# Altium PCB Charge ContollerV2.PcbDoc (part 1 of 2)
Units mil, origin at the board's own origin, x right, y up, seen from the top; angles counter-clockwise.
Board outline 6000 x 4000 mil, 4 copper layers (Top Layer, GND, PWR, Bottom Layer), stack 23.756 mil thick; 105 components, 62 nets, 328 pads, 55 vias.
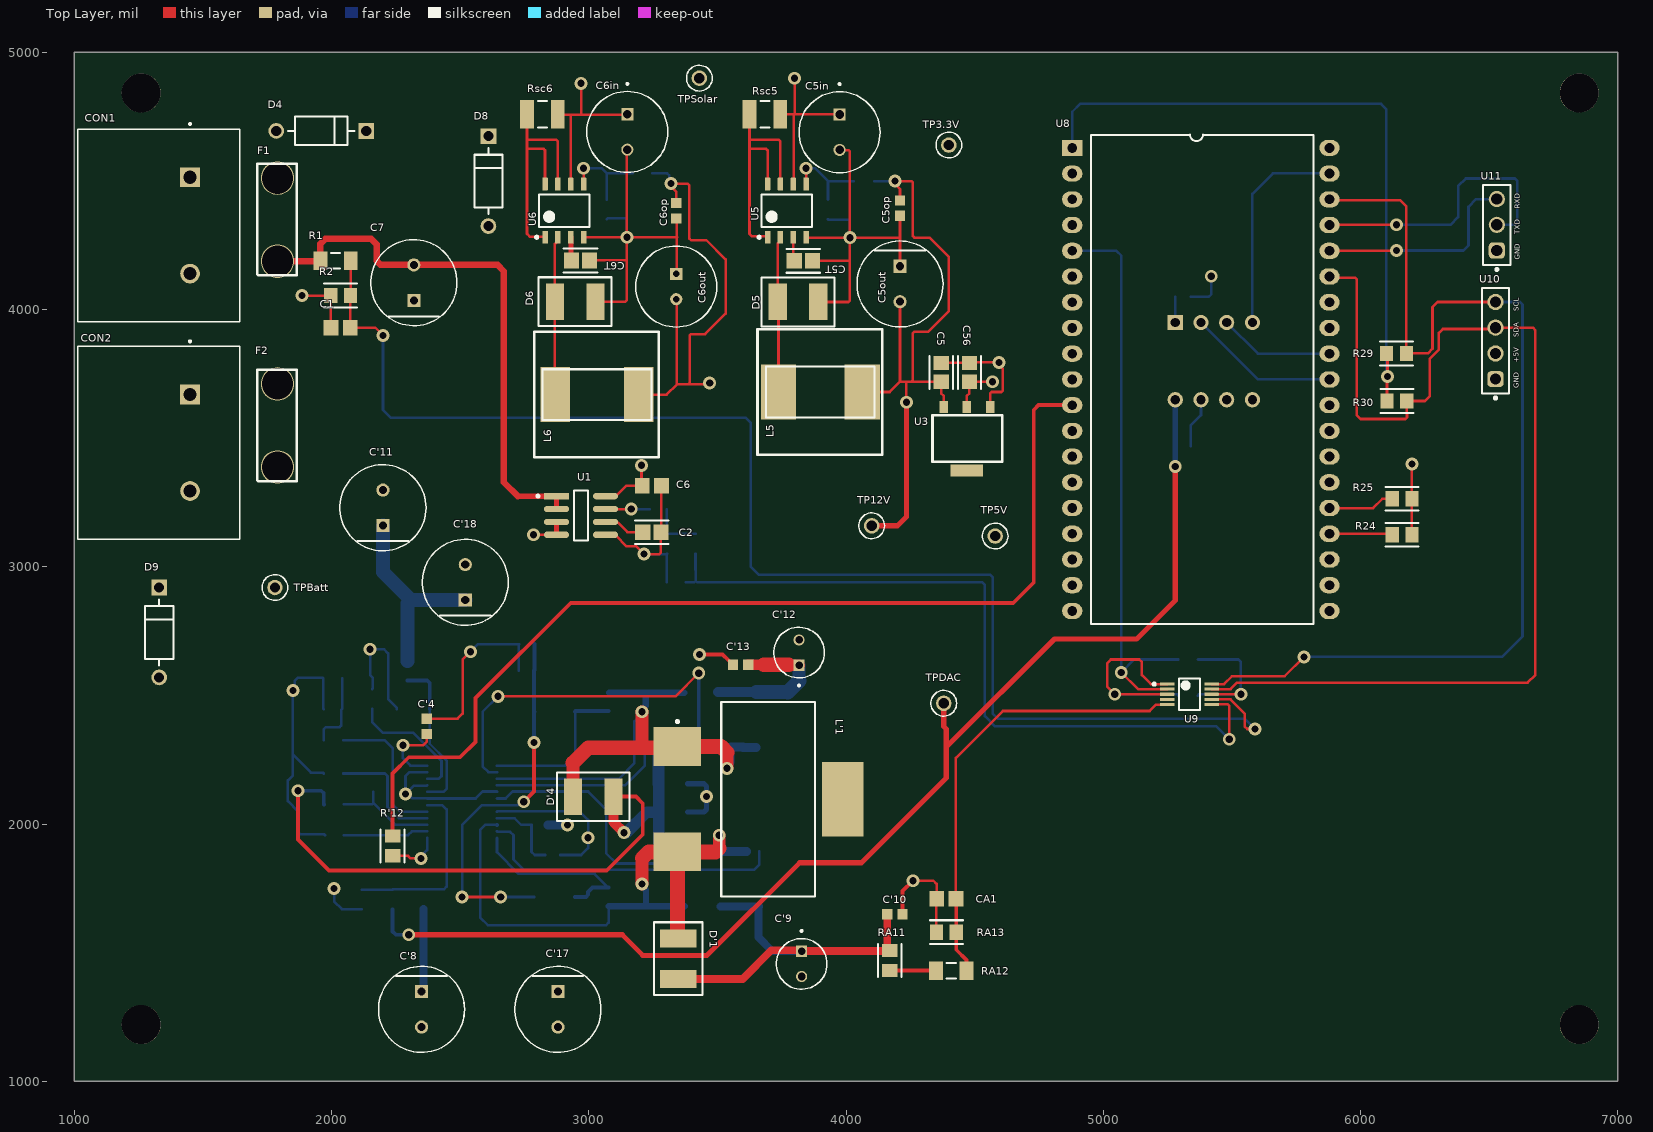
[diagram p0: Top Layer view]
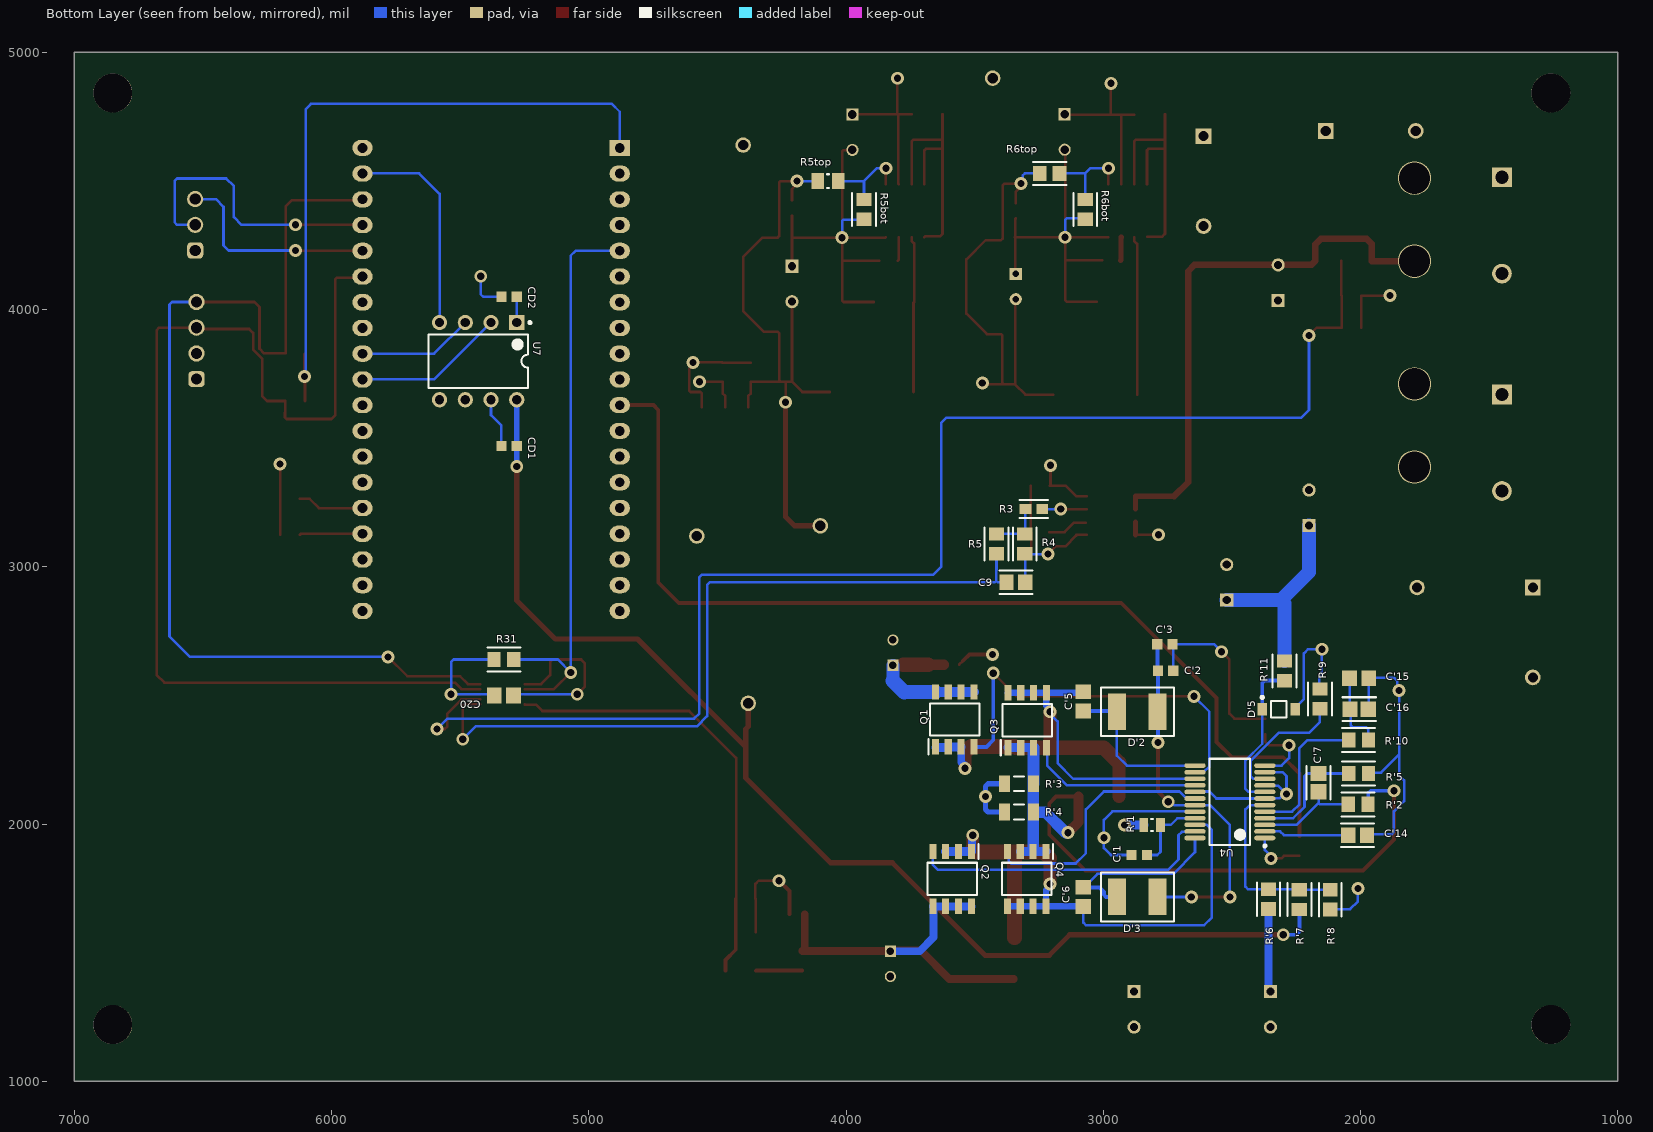
[diagram p1: Bottom Layer view, seen from below]
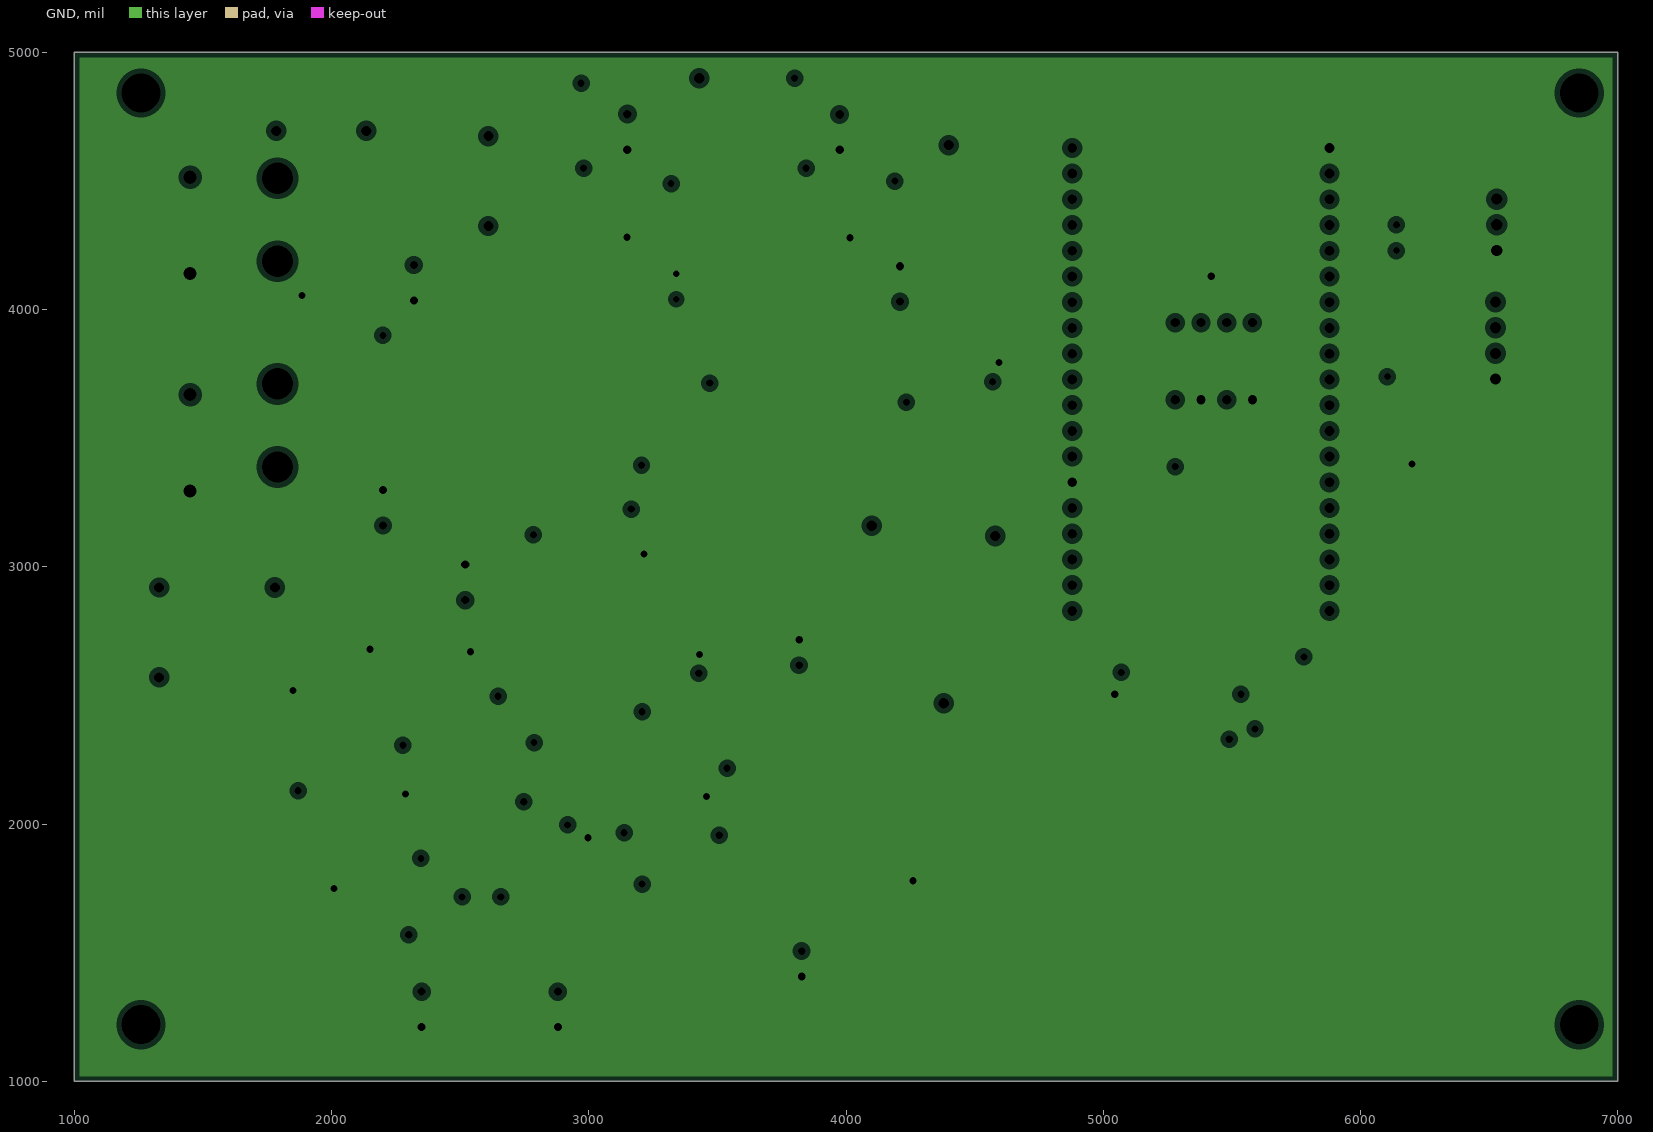
[diagram p2: GND, clearances drawn from the general rule]
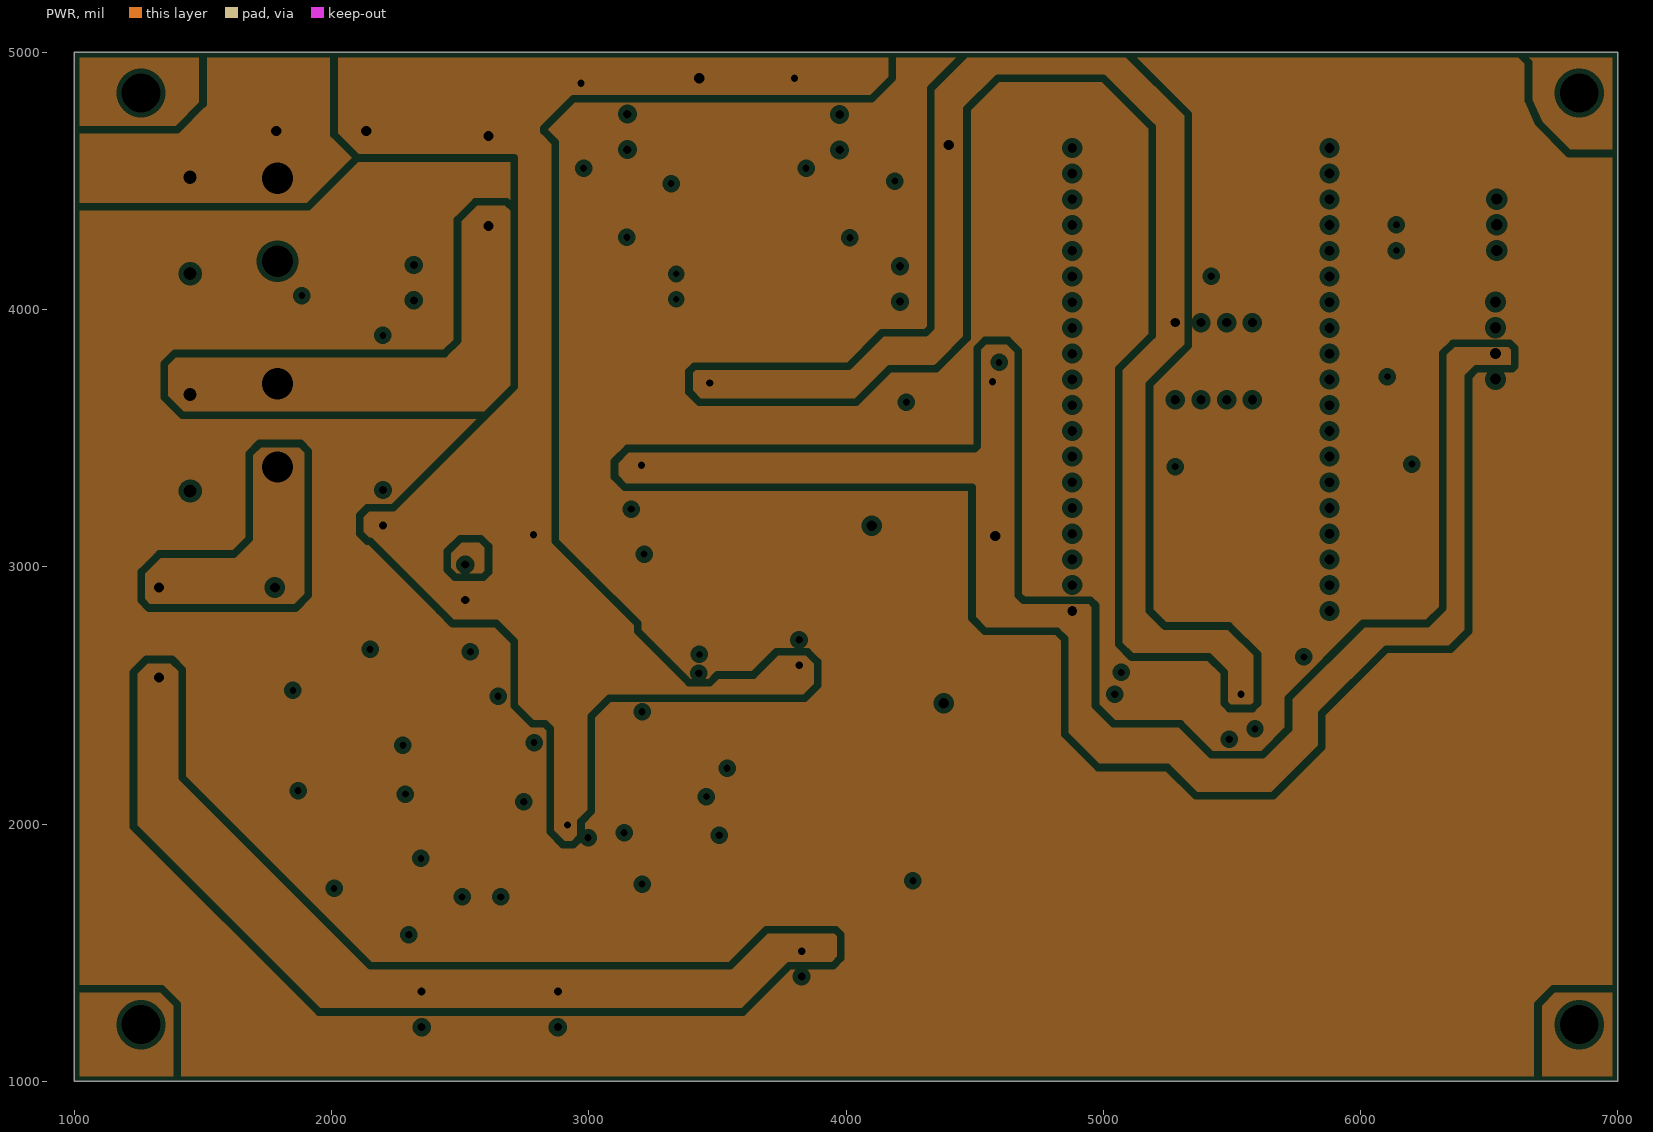
[diagram p3: PWR, clearances drawn from the general rule]
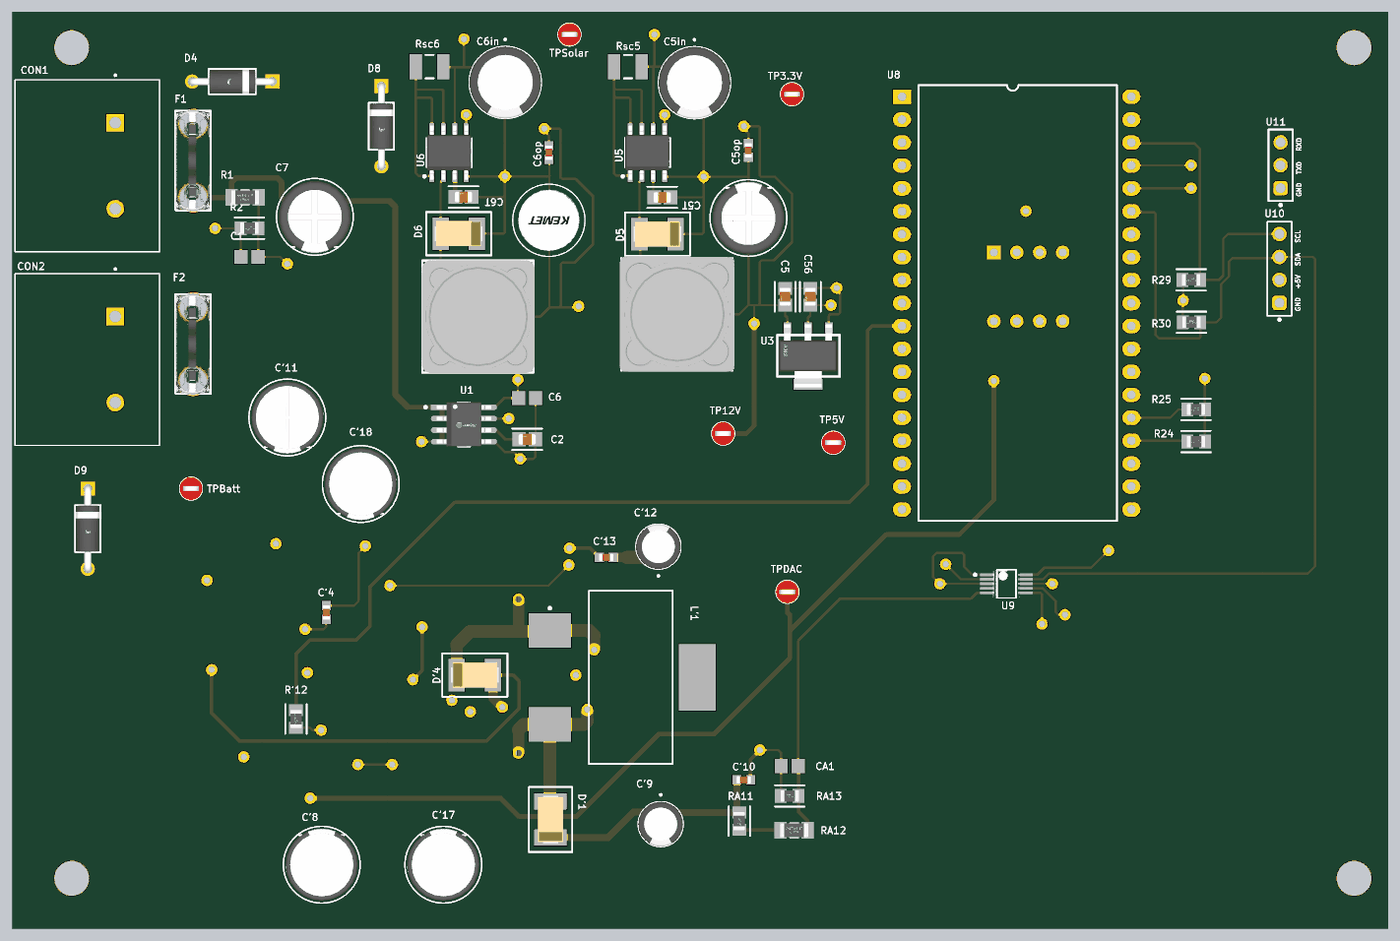
[diagram p5: 3D render of the assembled board from above, using the file's embedded part models]
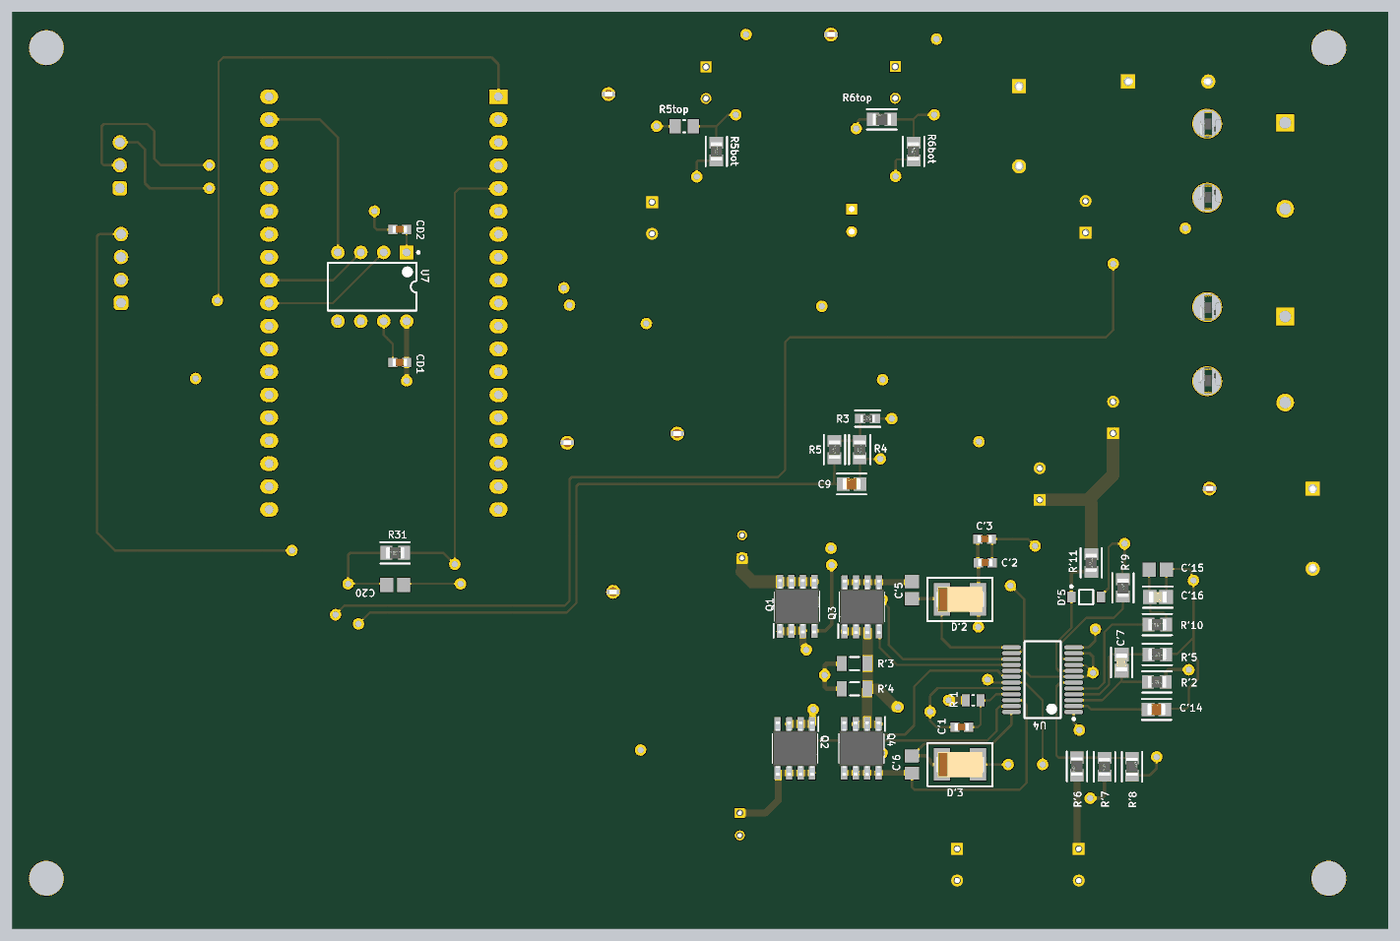
[diagram p6: 3D render of the assembled board from below, using the file's embedded part models]

## Layer stack, top to bottom
Top Solder: solder mask 0.4, Solder Resist, Dk 3.5
Top Layer: signal copper 1.4
Dielectric 2: prepreg 2.8, PP-006, Dk 4.1
GND: plane copper 1.378, net GND
Dielectric 1: dielectric 12.6, FR-4, Dk 4.8
PWR: plane copper 1.378, net (Multiple Nets)
Dielectric 3: prepreg 2.8, PP-006, Dk 4.1
Bottom Layer: signal copper 1.4
Bottom Solder: solder mask 0.4, Solder Resist, Dk 3.5

## Board outline
1000,1000 7000,1000 7000,5000 1000,5000

## Design rules (kind name [scope] priority, off if disabled: settings)
Clearance [All] p1: gap=5 ignorepadtopadclearanceinfootprint=FALSE
HoleSize [All] p1: absolutevalues=TRUE maxlimit=250 minlimit=10 maxpercent=80.000 minpercent=20.000
PlaneClearance [All] p1: clearance=20
PlaneConnect [All] p1: planeconnectstyle=Relief reliefexpansion=20 reliefentries=4 reliefconductorwidth=10 reliefairgap=10
PolygonConnect [All] p1: connectstyle=Relief reliefconductorwidth=10 reliefentries=4 polygonreliefangle="90 Angle" airgapwidth=10
RoutingVias [All] p1: holewidth=28 width=50 viastyle="Through Hole" minholewidth=28 minwidth=50 maxholewidth=28 maxwidth=50
SilkToSilkClearance [All] p1: silktosilkclearance=5
SolderMaskExpansion [All] p1: expansion=4 istentingtop=FALSE
SupplyNets "Schematic Supply Nets" [InNet('GND')] p1: voltage=0.000
Width [All] p1: maxlimit=1000 minlimit=5 preferedwidth=10
26 further rules are at their usual default settings.

## Classes and differential pairs
component class "External DAC": CD1 U7
component class LTC3780EG: C'2 C'5 C'6 C'7 C'8 C'9 C'10 C'11 C'12 C'13 C'14 C'15 C'16 C'17 C'18 D'1 D'2 D'3 D'4 D'5 L'1 Q1 Q2 Q3 Q4 R'1 R'2 R'3 R'4 R'5 R'6 R'8 R'9 R'10 R'11 R'12 U4
component class Designator: C5in C5op C5out C5T C6in C6op C6out C6T D5 D6 L5 L6 R5bot R5top R6bot R6top Rsc5 Rsc6 U5 U6
component class "Charge Controller": C1 C7 CA1 CON1 CON2 D4 D8 D9 F1 F2 R1 R2 RA11 RA12 RA13 U10 U11

## Components (designator, comment, footprint, x,y, rotation, side; value= is the part's Value field where it differs from the comment)
C1 "100nF" CAPC2013X140X45ML15T25 2035,3930 r0 top
C2 "1nF" FP-GCM21B-0_2-e0_3_0_75-IPC_A 3245.46,3135 r180 top
C5 "10uF" FP-GRM21B-0_15-IPC_A 4370,3756.47 r270 top value=10µF
C5in "100uF" CAPPRD350W60D800H1150 3975,4690 r270 top value=100µF
C5op "4.7uF" CAPC1608X100N 4210,4395 r90 top
C5out "220uF" "FP-RAD-TH-D_8_0_5-L_11_5-MFG - duplicate" 4210,4100 r270 top value=220µF
C5T "1nF" FP-GCM21B-0_2-e0_3_0_75-IPC_A 3834.54,4190 r180 top
C6 "100nF" CAPC2013X140X45ML15T25 3245,3315 r180 top
C6in "100uF" CAPPRD350W60D800H1150 3150,4691.1 r270 top value=100µF
C6op "4.7uF" CAPC1608X100N 3340,4385 r90 top
C6out "220uF" EEU-FR1E221 3340,4090 r270 top value=220µF
C6T "1nF" FP-GCM21B-0_2-e0_3_0_75-IPC_A 2967.89,4191.65 r180 top
C7 "220uF" "FP-RAD-TH-D_8_0_5-L_11_5-MFG - duplicate" 2320,4105 r90 top value=220µF
C9 "2.2uF" FP-GRM21B-0_15-IPC_A 3340,2940 r0 bottom value=2.2µF
C20 "100nF" CAPC2013X140X45ML15T25 5330,2500 r0 bottom
C56 "10uF" FP-GRM21B-0_15-IPC_A 4480,3756.47 r270 top value=10µF
C'1 "0.1u" CAPC1608X100N 2860,1880 r180 bottom value=100nF (schematic designator C'10)
C'2 "4.7uF" CAPC1608X100N 2757.5,2596.97 r0 bottom
C'3 "0.1u" CAPC1608X100N 2760,2700 r0 bottom value=100nF (schematic designator C'10)
C'4 "0.1u" CAPC1608X100N 2370,2380 r270 top value=100nF (schematic designator C'10)
C'5 "0.22u" CAPC2013X140X45ML15T25 3077.5,2476.97 r90 bottom value=220nF
C'6 "0.22u" CAPC2013X140X45ML15T25 3077.5,1716.97 r270 bottom value=220nF
C'7 "68p" "(KEMET 0805) FP-C0805C-DN-IPC_A" 2162.96,2161.51 r270 bottom value=68pF
C'8 "330u" FP-RAD-TH-D_8_0_5-L_15_1-MFG 2350,1280 r270 top value=330µF
C'9 "22u" "(22u) CAPPRD250W50D500H1100" 3827.5,1456.97 r270 top value=22µF
C'10 "0.1u" CAPC1608X100N 4190,1650 r180 top value=100nF
C'11 "220u" FP-RAD-TH-D_8_0_5-L_15_1-MFG 2200,3230 r90 top value=220µF
C'12 "22u" "(22u) CAPPRD250W50D500H1100" 3817.5,2666.97 r90 top value=22µF
C'13 "0.1u" CAPC1608X100N 3590,2620 r0 top value=100nF
C'14 "0.022u" FP-GCM21B-0_15-IPC_A 2011.03,1956.97 r0 bottom value=22nF
C'15 "10000p" CAPC2013X140X45ML15T25 2004.9,2566.97 r0 bottom value=10nF
C'16 "47p" "(KEMET 0805) FP-C0805C-DN-IPC_A" 2004.9,2446.97 r0 bottom value=47pF
C'17 "330u" FP-RAD-TH-D_8_0_5-L_15_1-MFG 2880,1280 r270 top value=330µF
C'18 "220u" FP-RAD-TH-D_8_0_5-L_15_1-MFG 2520,2940 r90 top value=220µF
CA1 "100nF" CAPC2013X140X45ML15T25 4390,1710 r0 top
CD1 "0.1u" CAPC1608X100N 5310,3470 r180 bottom value=100nF
CD2 "0.1u" CAPC1608X100N 5310,4050 r180 bottom value=100nF (schematic designator CD1)
CON1 "Panel Connector" PHOENIX_1902547 1012.99,4702.4 r270 top (schematic designator U00)
CON2 "Battery Connector" PHOENIX_1902547 1012.99,3857.4 r270 top (schematic designator U0)
D4 "1N4007" FP-1N4007-MFG 1960,4695 r180 top
D5 "CDBA3100" CDBA3100 3813.74,4030 r180 top
D6 "CDBA3100" CDBA3100 2947.09,4031.65 r180 top
D8 "1N4007" FP-1N4007-MFG 2610,4500 r270 top
D9 "1N4007" FP-1N4007-MFG 1330,2745.2 r270 top
D'1 "CDBA3100" CDBA3100 3347.5,1476.97 r90 top
D'2 "CDBA3100" CDBA3100 2867.5,2436.97 r180 bottom
D'3 "CDBA3100" CDBA3100 2867.5,1716.97 r180 bottom
D'4 "CDBA3100" CDBA3100 3017.5,2106.97 r0 top
D'5 "MMSZ5231BT1" "(MMSZ5231BT1) ONSC-SOD-123-2-425-04_V" 2317.5,2446.97 r180 bottom
F1 "10A Fuse" FP-0297-MFG 1790,4350 r90 top value=7.42mΩ
F2 "15A Fuse" FP-0297-MFG 1790,3550 r90 top value=4.58mΩ
L5 "820uH" SRR1280-821K 3900,3680 r0 top value=820µH
L6 "680uH" SRR1260-681K 3032.4,3670 r0 top value=680µH
L'1 "4.7uH" "(4.7u) COIL-SER2013-3_V" 3697.5,2096.97 r270 top value=4.7µH
Q1 "FDS5670" FDS5670 3577.5,2406.97 r90 bottom value=14MΩ
Q2 "FDS5670" FDS5670 3587.5,1786.97 r270 bottom value=14MΩ
Q3 "FDS5670" FDS5670 3295.82,2404.68 r90 bottom value=14MΩ
Q4 "FDS5670" FDS5670 3297.5,1786.97 r270 bottom value=14MΩ
R1 "56k" FP-CRGCQ1206-IPC_A 2015.9,4190 r180 top value=56kΩ
R2 "10k" FP-CRGCQ0805-IPC_A 2035,4055 r0 top value=10kΩ
R3 "3.3k" FP-CRGCQ0603-IPC_A 3270,3225 r180 bottom value=3.3kΩ
R4 "10k" FP-CRGCQ0805-IPC_A 3305,3090 r90 bottom value=10kΩ
R5 "1k" FP-CRGCQ0805-IPC_A 3415,3090 r90 bottom value=1kΩ
R5bot "1k" FP-CRGCQ0805-IPC_A 3930,4390 r90 bottom value=1kΩ
R5top "8.66k" RESC2013X60X30ML20T20 4070,4500 r0 bottom value=8.66kΩ
R6bot "1k" FP-CRGCQ0805-IPC_A 3070,4390 r90 bottom value=1kΩ
R6top "1.65k" FP-RMCF0805-IPC_A 3208.42,4530 r0 bottom value=1.65kΩ
R24 "10k" FP-CRGCQ0805-IPC_A 6161.57,3265 r0 top value=10kΩ
R25 "10k" FP-CRGCQ0805-IPC_A 6161.57,3125 r0 top value=10kΩ
R29 "10k" FP-CRGCQ0805-IPC_A 6140,3830 r0 top value=10kΩ
R30 "10k" FP-CRGCQ0805-IPC_A 6141.57,3645 r0 top value=10kΩ
R31 "10k" FP-CRGCQ0805-IPC_A 5330,2640 r0 bottom value=10kΩ
R'1 "10" "(0805) RESC2013X50X30LL20T20" 2809.98,1996.97 r0 bottom value=10Ω
R'2 "100" FP-CRGCQ0805-IPC_A 2009.07,2076.97 r180 bottom value=100Ω